# Allegro board Learn.brd (continued)
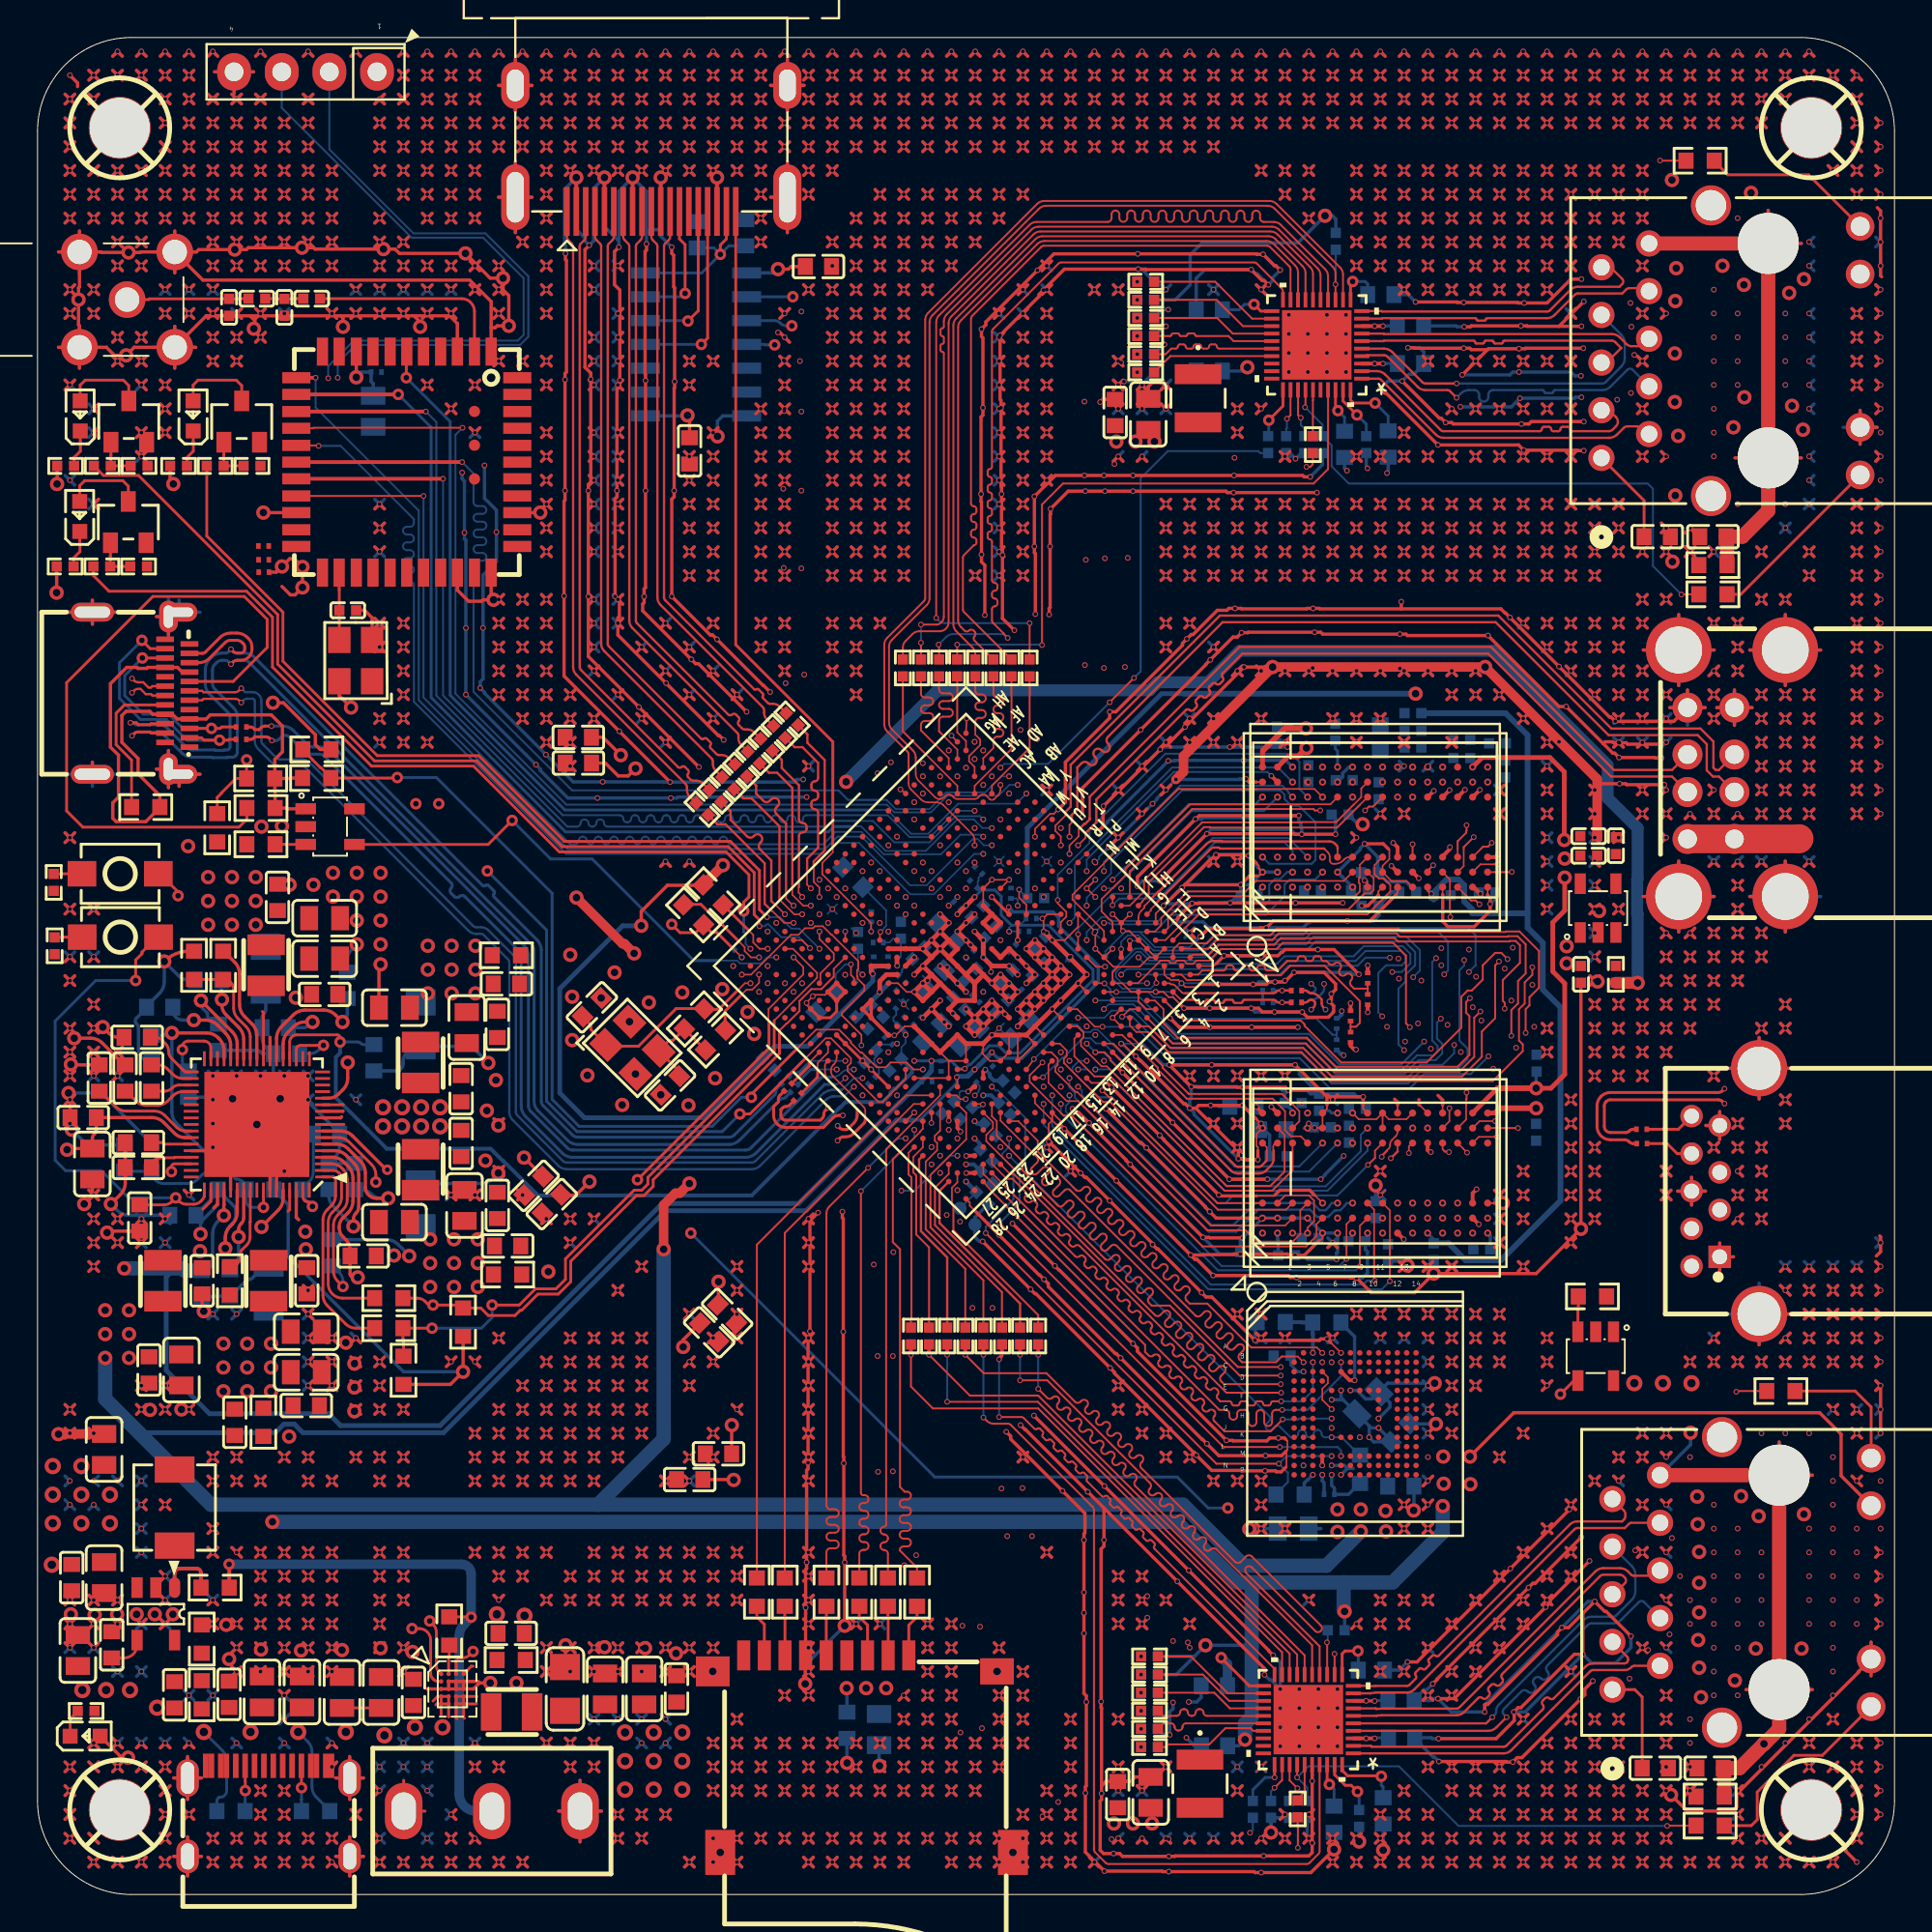
[diagram p0: board, top side]
## Routing (per net, layer and track width the routed paths; a pad name or vN(x,y) marks a point on that pad's centre or on a via; arc(x,y) is an arc through that point) (continued)
  TOP w0.203: U7.R2 v1(76.83,35.72)
  SIG w0.104: v1(76.83,35.72) 76.83,37.2 77.06,37.44 77.06,38.53 78.56,40.03 78.56,43.41 78.71,43.56 78.71,44.48 78.46,44.73 78.46,45.3 78.56,45.4 v1(78.56,45.77) 78.56,47.14 78.92,47.5 78.92,48.74 79.25,49.07 79.25,52.98 77.85,54.38 v1(77.85,54.91)
DDR4_A9: length 47.1
  TOP w0.089: 60.59,47.12 U5.A5 ; U7.R7 76.83,40.39 77.65,40.39
  TOP w0.104: 60.59,47.12 61.13,46.58 67.34,46.58 67.54,46.38 67.54,46.3 69.49,44.35 74.04,44.35 75.9,46.2 75.9,47.85 76.23,48.18 76.45,48.18 77.04,48.77 77.04,49.53 77.7,50.19 78.03,50.19 v1(78.36,49.86) ; 77.65,40.39 v1(77.8,40.39)
  TOP w0.203: U6.R7 v1(76.88,58.88)
  SIG w0.104: v1(76.88,58.88) 76.88,57.2 77.17,56.92 77.17,54.33 78.26,53.24 78.26,52.39 arc(78.32,52.25) 78.47,52.19 78.55,52.19 arc(78.76,51.98) 78.55,51.77 78.36,51.77 arc(78.15,51.56) 78.36,51.35 78.55,51.35 arc(78.76,51.14) 78.55,50.94 78.47,50.94 arc(78.32,50.87) 78.26,50.73 78.26,50.25 78.36,50.15 v1(78.36,49.86) 78.56,49.65 78.56,49.51 78.56,49.5 78.56,49.2 78.05,48.69 78.05,48.06 77.85,47.85 77.85,47.04 77.95,46.94 77.95,44.53 78.21,44.27 78.21,43.76 77.95,43.51 77.95,41.66 78.05,41.55 78.05,40.64 v1(77.8,40.39)
DDR4_A10: length 40.9
  TOP w0.089: U5.D6 58.66,48.57 59.87,49.78 60.27,49.78 60.4,49.66 60.63,49.66 60.76,49.78 61.11,49.78 61.29,49.61 61.59,49.61 61.77,49.78 62.48,49.78 62.58,49.88
  TOP w0.104: v1(73.15,46.23) 72.95,46.43 72.95,50.04 72.26,50.72 66.37,50.72 66.04,50.39 63.09,50.39 62.58,49.88
  SIG w0.104: v1(74.1,55.3) 73.94,55.14 73.94,54.74 74.24,54.43 74.24,53.87 73.94,53.57 73.94,49.05 74.12,48.87 74.12,48.56 73.91,48.36 73.46,48.36 73.2,48.11 73.2,47.41 arc(73.24,47.33) 73.32,47.29 arc(73.4,47.26) 73.43,47.18 73.43,46.99 arc(73.4,46.91) 73.32,46.88 arc(73.2,46.83) 73.15,46.71 v1(73.15,46.23) 73.36,46.02 73.36,46 73.56,45.8 73.56,44.83 74.52,43.87 74.52,41.68 74.98,41.22 74.98,40.51 74.63,40.16 74.63,39.19 74.1,38.66 v1(74.1,36.85)
DDR4_A11: length 47.1
  TOP w0.089: 61.76,50.7 60.86,50.7 60.52,50.36 U5.C2 ; U6.T2 77.65,54.5
  TOP w0.104: v1(79.32,45.92) 79.32,47.19 79.53,47.4 79.53,47.83 80.04,48.34 80.04,50.29 78.99,51.33 78.28,51.33 78.26,51.31 72.72,51.31 72.54,51.49 66.07,51.49 65.71,51.13 62.76,51.13 62.33,50.7 61.76,50.7 ; v1(78.59,54.51) 78.58,54.5 77.65,54.5
  SIG w0.104: v1(78.59,54.51) 79.93,53.16 79.93,49.68 80.04,49.58 80.04,48.34 79.53,47.83 79.53,47.4 79.32,47.19 v1(79.32,45.92) 79.32,45.49 79.43,45.39 79.43,44.88 79.27,44.73 79.27,40.31 77.3,38.33 v1(77.3,36.05)
DDR4_A12: length 45.2
  TOP w0.089: v1(59.64,48.59) 59.61,48.59 59.61,48.79 U5.C4
  TOP w0.203: U7.M7 74.1,39.68 74.2,39.57 v1(74.27,39.57) ; U6.M7 v1(74.43,58.83)
  SIG w0.104: v1(74.27,39.57) 74.27,40.16 74.73,40.61 74.73,41.12 74.27,41.58 74.27,43.76 73.3,44.73 73.3,45.57 72.8,46.08 72.8,47.47 72.95,47.62 72.95,48.21 73.33,48.59 v1(73.33,48.9) 73.66,49.23 73.66,53.7 73.99,54.03 73.99,54.33 73.69,54.64 73.69,55.4 74.3,56.01 74.3,58.4 74.43,58.54 v1(74.43,58.83)
  BOTTOM w0.089: 62.37,50.08 62.26,49.96 59.33,49.96 58.88,50.42 58.5,50.42 57.3,49.23 57.3,48.82 57.84,48.29 59.33,48.29 v1(59.64,48.59)
  BOTTOM w0.104: 62.37,50.08 62.94,50.65 67.61,50.65 68.02,51.05 72.97,51.05 73.69,50.34 73.69,49.25 v1(73.33,48.9)
DDR4_A13: length 49.7
  TOP w0.089: 59.33,45.86 59.21,45.97 58.57,45.97 58.22,46.32 U5.B8 ; 77.65,40.85 U7.T8
  TOP w0.104: v1(79.68,49.43) 79.68,49.02 79.27,48.62 79.27,47.5 78.97,47.19 78.97,45.52 79.17,45.31 79.17,44.96 77.57,43.36 68.91,43.36 67.37,44.9 60.28,44.9 59.33,45.86 ; v1(78.92,40.85) 77.65,40.85
  SIG w0.104: v1(77.3,59.3) 77.3,57.25 78.23,56.31 78.23,54.36 79.68,52.91 v1(79.68,49.43) 79.68,49.06 79.27,48.65 79.27,47.5 78.97,47.19 78.97,45.49 79.17,45.29 79.17,44.98 78.97,44.78 78.97,43.46 78.82,43.31 78.82,41.25 78.92,41.15 v1(78.92,40.85)
DDR4_A14_WEN: length 45.3
  TOP w0.203: U6.L2 v1(73.63,54.17)
  SIG w0.104: v1(73.63,54.17) 73.42,53.96 73.42,49.52 72.92,49.02 72.92,48.67 72.69,48.44 72.69,47.73 72.54,47.57 72.54,45.31 v1(72.85,45.01) 73.05,44.8 73.05,44.63 74.02,43.66 74.02,41.48 74.47,41.02 74.47,40.72 73.76,40.01 73.76,39.14 73.66,39.04 73.66,36.42 v1(73.3,36.05)
  BOTTOM w0.089: v1(59.14,48.57) 57.8,48.57 57.48,48.9 57.48,49.15 58.57,50.24 58.8,50.24 59.26,49.78 62.43,49.78 62.55,49.9
  BOTTOM w0.104: 62.55,49.9 63.04,50.39 67.72,50.39 68.12,50.8 72.87,50.8 73.43,50.24 73.43,49.53 72.92,49.02 72.92,48.67 72.54,48.29 72.54,45.31 v1(72.85,45.01)
DDR4_A15_CASN: length 39.1
  SIG w0.104: v1(74.1,40.85) 73.89,41.06 73.89,41.25 73.76,41.38 73.76,43.56 72.29,45.03 72.29,45.29 arc(72.27,45.34) 72.21,45.36 72.04,45.36 arc(71.83,45.57) 72.04,45.78 72.21,45.78 arc(72.27,45.8) 72.29,45.86 72.29,46.41 72.21,46.48 72.21,47.14 arc(72.17,47.25) 72.06,47.29 72.04,47.29 arc(71.83,47.5) 72.04,47.71 72.23,47.71 arc(72.44,47.91) 72.23,48.12 72.04,48.12 arc(71.83,48.33) 72.04,48.54 72.06,48.54 arc(72.17,48.58) 72.21,48.69 v1(72.21,49.17) 72.72,49.17 73.18,49.63 73.18,54.25 73.41,54.48 73.41,55.45 74.02,56.06 74.02,58.92 74.1,59.01 v1(74.1,59.3)
  BOTTOM w0.089: 62.85,49.61 59.03,49.61 v1(58.68,49.95)
  BOTTOM w0.104: 62.85,49.61 66.07,49.61 66.47,50.01 70.15,50.01 70.69,50.55 72.77,50.55 73.18,50.14 73.18,49.63 72.72,49.17 v1(72.21,49.17)
DDR4_A16_RASN: length 34.2
  SIG w0.104: v1(73.3,40.85) 73.3,41.15 73.25,41.19 73.25,43.36 71.32,45.29 71.32,49.17 v1(72.09,49.94) 72.67,50.52 72.67,54.46 72.9,54.69 72.9,56.13 73.66,56.9 73.66,58.93 v1(73.3,59.3)
  BOTTOM w0.089: 62.5,49.03 v1(58.68,49.03)
  BOTTOM w0.104: v1(72.09,49.94) 70.79,49.94 70.36,49.5 66.67,49.5 66.2,49.03 62.5,49.03
DDR4_ACTN: length 42.2
  TOP w0.104: U6.L3 v1(73.3,55.98)
  SIG w0.104: v1(73.3,55.98) 73.3,55.69 73.15,55.54 73.15,54.58 72.92,54.36 72.92,49.73 72.72,49.53 72.04,49.53 71.58,49.07 71.58,47.2 71.68,47.1 v1(71.68,46.81) 71.68,46.52 71.58,46.42 71.58,45.39 73.51,43.46 73.51,41.27 73.66,41.12 73.66,40.69 73.51,40.54 73.51,39.32 73.3,39.11 v1(73.3,36.85)
  BOTTOM w0.089: 62.8,49.33 58.06,49.33 v1(57.76,49.03)
  BOTTOM w0.104: v1(71.68,46.81) 71.47,47.02 71.47,49.12 71.88,49.53 72.72,49.53 72.92,49.73 72.92,50.04 72.67,50.29 70.79,50.29 70.26,49.76 66.57,49.76 66.14,49.33 62.8,49.33
DDR4_BA0: length 42.6
  TOP w0.089: U6.N2 75.29,54.11 75.29,53.29
  TOP w0.104: v1(75.31,52.1) 75.31,52.39 75.29,52.41 75.29,53.29
  SIG w0.104: v1(74.9,36.05) 74.9,36.35 75.26,36.71 75.26,38.73 75.84,39.32 75.84,39.95 76.1,40.21 76.1,42.31 75.79,42.62 75.79,44.35 75.51,44.63 v1(75.51,45.29) 75.51,46.51 75.16,46.86 75.16,47.83 75.69,48.36 75.69,50.93 75.31,51.31 v1(75.31,52.1)
  BOTTOM w0.089: 59.49,46.02 58.39,47.12 57.25,47.12 56.87,46.73 v1(55.47,46.73)
  BOTTOM w0.104: v1(75.51,45.29) 75.51,44.84 74.89,44.22 73.71,44.22 72.97,43.48 69.09,43.48 67.49,45.09 60.43,45.09 59.49,46.02
DDR4_BA1: length 45.1
  TOP w0.089: v1(75.26,41.91) 75.26,41.22 U7.N8
  SIG w0.104: v1(74.9,59.3) 74.9,57.07 74.65,56.82 74.65,55.24 74.96,54.94 74.96,52.96 74.45,52.45 74.45,50.3 74.55,50.2 v1(74.55,49.91) 74.45,49.81 74.45,49.25 74.63,49.07 74.63,48.36 74.19,47.93 74.19,46.1 74.65,45.64 74.65,44.42 75.03,44.04 75.03,42.14 v1(75.26,41.91)
  BOTTOM w0.089: v1(56.39,47.65) 57.27,47.65 57.3,47.62 58.6,47.62 59.85,46.38
  BOTTOM w0.104: v1(74.55,49.91) 74.34,49.71 74.34,45.52 74.63,45.24 74.63,44.93 74.42,44.73 73.53,44.73 72.8,43.99 69.29,43.99 67.67,45.62 60.6,45.62 59.85,46.38
DDR4_BG0: length 40.9
  TOP w0.089: U5.F8 56.86,48.57 v1(56.87,48.56)
  TOP w0.104: v1(74.4,54.86) 74.1,54.57 U6.M2
  SIG w0.104: v1(74.1,36.05) 74.47,36.43 74.47,38.68 74.88,39.09 74.88,40.06 75.23,40.41 75.23,41.33 74.78,41.78 74.78,43.97 73.91,44.83 v1(73.91,45.47) 73.91,45.76 73.94,45.78 73.94,48.03 74.37,48.46 74.37,48.97 74.19,49.15 74.19,52.55 74.65,53.01 74.65,54.61 v1(74.4,54.86)
  BOTTOM w0.089: v1(56.87,48.56) 57.2,48.23 57.2,47.98 57.38,47.8 58.78,47.8 60.02,46.55
  BOTTOM w0.104: v1(73.91,45.47) 72.69,44.25 69.39,44.25 67.77,45.87 60.71,45.87 60.02,46.55
DDR4_CKE: length 13.5
  TOP w0.089: U5.B3 60.97,49.03 61.26,48.74 62.21,48.74 62.47,49
  TOP w0.104: 62.47,49 66.27,49 66.78,49.5 68.61,49.5 70.48,47.62 70.48,46.46 70.28,46.25 69.99,46.25 ; R33.2 69.99,46.25 ; 69.99,46.25 R34.1
DDR4_CKE_A: length 10.8
  TOP w0.203: U6.K2 v1(72.17,54.83) ; R33.1 v1(69.99,47.51)
  SIG w0.104: v1(69.99,47.51) 69.99,48.02 arc(70.05,48.16) 70.2,48.22 70.84,48.22 arc(71.04,48.43) 70.84,48.64 70.2,48.64 arc(70.05,48.7) 69.99,48.85 69.99,49.19 72.17,51.36 v1(72.17,54.83)
DDR4_CKE_B: length 11.1
  TOP w0.203: R34.2 69.99,45.24 70.19,45.03 v1(70.28,45.03)
  SIG w0.104: v1(72.5,36.05) 72.87,36.43 72.87,37.01 72.73,37.15 72.73,37.56 arc(72.76,37.62) 72.83,37.65 arc(72.97,37.71) 73.03,37.85 73.03,37.87 arc(72.97,38.01) 72.83,38.07 arc(72.76,38.1) 72.73,38.17 72.73,39.69 72.57,39.85 72.57,42.57 70.54,44.6 70.54,44.78 v1(70.28,45.03)
DDR4_CLKN: length 8.1
  TOP w0.089: 61.16,47.69 61.03,47.69 arc(60.95,47.71) 60.89,47.75 U5.A4
  TOP w0.124: R32.1 v1(66.34,47.55) 66.18,47.55 arc(66.1,47.56) 66.03,47.61 66.01,47.63 arc(65.95,47.67) 65.86,47.69 64.32,47.69 arc(64.27,47.67) 64.24,47.61 arc(64.22,47.55) 64.16,47.52 63.83,47.52 arc(63.77,47.55) 63.75,47.61 arc(63.72,47.67) 63.66,47.69 63.33,47.69 arc(63.27,47.67) 63.25,47.61 arc(63.23,47.55) 63.17,47.52 62.84,47.52 arc(62.78,47.55) 62.75,47.61 arc(62.73,47.67) 62.67,47.69 62.34,47.69 arc(62.28,47.67) 62.26,47.61 arc(62.23,47.55) 62.18,47.52 61.85,47.52 arc(61.79,47.55) 61.76,47.61 arc(61.74,47.67) 61.68,47.69 61.16,47.69
  BOTTOM w0.124: R32.1 v1(66.34,47.55) R28.1
DDR4_CLKN_A: length 17.4
  SIG w0.124: v1(68.58,48.54) 68.58,48.28 arc(68.55,48.14) 68.48,48.03 68.27,47.82 arc(68.08,47.69) 67.86,47.65 67.74,47.65 arc(67.34,47.81) 67.18,48.2 67.18,48.54 arc(67.23,48.77) 67.36,48.98 67.61,49.23 67.78,49.23 arc(67.91,49.25) 68.02,49.32 71.01,52.32 arc(71.15,52.52) 71.2,52.76 71.2,55.94 arc(71.24,56.18) 71.38,56.38 71.93,56.94 arc(71.99,57.03) 72.01,57.13 72.01,58.55 arc(72.06,58.79) 72.19,58.99 v1(72.5,59.3)
  BOTTOM w0.124: R31.1 67.57,47.55 arc(67.65,47.56) 67.72,47.61 67.74,47.63 arc(67.81,47.67) 67.89,47.69 67.9,47.69 arc(68.1,47.73) 68.27,47.84 68.47,48.04 arc(68.55,48.16) 68.58,48.3 v1(68.58,48.54)
DDR4_CLKN_B: length 17.6
  TOP w0.089: U7.K8 72.5,40.68 arc(72.47,40.53) 72.39,40.41 72.19,40.21 arc(72.12,40.11) 72.1,39.98 72.1,39.93 arc(72.08,39.84) 72.02,39.75 71.94,39.67 71.94,39.65 71.93,39.65
  TOP w0.124: v1(67.89,47.17) 68.04,47.31 arc(68.08,47.38) 68.1,47.46 68.1,47.57 68.03,47.64 arc(67.97,47.68) 67.9,47.69 67.87,47.69 arc(67.8,47.68) 67.75,47.64 67.72,47.61 arc(67.65,47.56) 67.57,47.55 R32.2 ; 71.93,39.65 71.7,39.42 71.7,39.37 v1(71.65,39.32)
  SIG w0.124: v1(71.65,39.32) 71.65,39.63 71.45,39.83 71.45,42.26 arc(71.43,42.37) 71.37,42.45 70.87,42.95 arc(70.79,43.01) 70.69,43.03 67.89,43.03 arc(67.82,43.04) 67.76,43.08 67.75,43.1 arc(67.71,43.16) 67.69,43.23 67.69,45.29 arc(67.71,45.36) 67.75,45.42 67.76,45.43 arc(67.82,45.47) 67.89,45.49 69.57,45.49 arc(69.66,45.52) 69.7,45.61 69.7,46.08 arc(69.66,46.17) 69.57,46.2 68.43,46.2 68.04,46.59 arc(67.93,46.75) 67.89,46.94 v1(67.89,47.17)
DDR4_CLKP: length 8
  TOP w0.089: 61.16,48.04 61.09,48.04 arc(61.05,48.05) 61.01,48.08 60.62,48.46 arc(60.57,48.5) 60.5,48.51 60.41,48.51 60.35,48.57 U5.B4
  TOP w0.124: R30.1 v1(66.34,48.18) 66.18,48.18 arc(66.1,48.17) 66.03,48.12 66.01,48.1 arc(65.95,48.06) 65.86,48.04 61.16,48.04
  BOTTOM w0.124: R30.1 v1(66.34,48.18) R27.1
DDR4_CLKP_A: length 17.5
  SIG w0.124: v1(72.5,58.5) 72.5,58.13 arc(72.48,58.05) 72.44,57.99 72.42,57.97 arc(72.38,57.91) 72.36,57.83 72.36,57.13 arc(72.32,56.89) 72.18,56.69 71.63,56.13 arc(71.57,56.05) 71.55,55.94 71.55,52.4 arc(71.53,52.33) 71.49,52.27 70.59,51.36 arc(70.52,51.19) 70.59,51.01 70.69,50.91 arc(70.69,50.56) 70.34,50.56 70.24,50.66 arc(69.89,50.66) 69.89,50.31 69.99,50.21 arc(69.99,49.86) 69.64,49.86 69.54,49.96 arc(69.19,49.96) 69.19,49.61 69.29,49.51 arc(69.29,49.16) 68.94,49.16 68.82,49.27 arc(68.66,49.34) 68.5,49.27 68.16,48.93 arc(68.09,48.89) 68.02,48.87 67.76,48.87 67.61,48.73 arc(67.56,48.64) 67.54,48.54 67.54,48.2 arc(67.59,48.06) 67.74,48 67.86,48 arc(67.94,48.02) 68.02,48.07 68.05,48.11 arc(68.09,48.16) 68.11,48.23 68.11,48.26 arc(68.09,48.33) 68.05,48.39 v1(67.89,48.55)
  BOTTOM w0.124: R29.1 67.57,48.18 arc(67.65,48.17) 67.72,48.12 67.75,48.1 arc(67.8,48.06) 67.87,48.04 67.9,48.04 arc(67.97,48.06) 68.03,48.09 68.1,48.17 arc(68.13,48.25) 68.1,48.34 v1(67.89,48.55)
DDR4_CLKP_B: length 17.6
  TOP w0.089: U7.K7 72.5,39.65
  TOP w0.124: v1(68.66,47.17) 68.54,47.28 arc(68.47,47.38) 68.45,47.51 68.45,47.71 68.27,47.89 arc(68.1,48) 67.9,48.04 67.89,48.04 arc(67.81,48.06) 67.74,48.1 67.72,48.12 arc(67.65,48.17) 67.57,48.18 R30.2 ; v1(72.14,39.24) 72.5,39.6 72.5,39.65
  SIG w0.124: v1(72.14,39.24) 72.14,39.46 arc(72.12,39.54) 72.08,39.6 72.01,39.67 72.01,39.78 71.81,39.98 71.81,42.26 arc(71.76,42.5) 71.62,42.7 71.12,43.2 arc(70.92,43.34) 70.69,43.38 69.3,43.38 arc(69.2,43.42) 69.16,43.52 arc(69.12,43.62) 69.02,43.66 68.8,43.66 arc(68.7,43.62) 68.66,43.52 arc(68.62,43.42) 68.52,43.38 68.17,43.38 arc(68.08,43.42) 68.05,43.51 68.05,45.01 arc(68.08,45.1) 68.17,45.14 69.71,45.14 arc(69.82,45.16) 69.9,45.22 69.97,45.28 arc(70.03,45.37) 70.05,45.47 70.05,46.36 arc(70.04,46.43) 70,46.48 69.98,46.5 arc(69.92,46.54) 69.85,46.56 68.57,46.56 68.49,46.82 arc(68.48,46.95) 68.54,47.05 v1(68.66,47.17)
DDR4_CS0N: length 13.5
  TOP w0.089: U5.A2 61.86,49.03 62.08,49.25 62.72,49.25
  TOP w0.104: R35.2 70.9,48.29 ; 70.9,48.29 70.18,48.29 70.02,48.45 arc(69.96,48.59) 70.02,48.74 arc(70.08,48.88) 70.02,49.03 70.02,49.03 arc(69.87,49.09) 69.73,49.03 arc(69.58,48.97) 69.43,49.03 69.43,49.03 arc(69.37,49.18) 69.43,49.33 arc(69.49,49.47) 69.43,49.62 69.43,49.62 arc(69.28,49.68) 69.14,49.62 arc(68.99,49.56) 68.84,49.62 68.71,49.76 68.55,49.76 arc(68.46,49.8) 68.43,49.89 arc(68.39,49.98) 68.3,50.01 68.14,50.01 arc(68.05,49.98) 68.01,49.89 arc(67.97,49.8) 67.88,49.76 67.72,49.76 arc(67.63,49.8) 67.59,49.89 arc(67.56,49.98) 67.47,50.01 67.3,50.01 arc(67.21,49.98) 67.18,49.89 arc(67.14,49.8) 67.05,49.76 66.62,49.76 66.12,49.25 65.57,49.25 arc(65.47,49.29) 65.43,49.39 arc(65.39,49.49) 65.29,49.53 65.15,49.53 arc(65.05,49.49) 65.01,49.39 arc(64.97,49.29) 64.87,49.25 64.74,49.25 arc(64.64,49.29) 64.6,49.39 arc(64.56,49.49) 64.46,49.53 64.32,49.53 arc(64.22,49.49) 64.18,49.39 arc(64.14,49.29) 64.04,49.25 63.9,49.25 arc(63.8,49.29) 63.76,49.39 arc(63.72,49.49) 63.62,49.53 63.49,49.53 arc(63.39,49.49) 63.35,49.39 arc(63.31,49.29) 63.21,49.25 62.72,49.25 ; 70.9,48.29 R36.1
DDR4_CS0N_A: length 10.8
  TOP w0.203: R35.1 v1(70.9,49.53)
  SIG w0.104: v1(70.9,49.53) 71.2,49.82 arc(71.27,49.85) 71.34,49.82 71.34,49.82 arc(71.41,49.79) 71.49,49.82 71.64,49.97 arc(71.67,50.04) 71.64,50.12 arc(71.61,50.19) 71.64,50.26 71.79,50.41 arc(71.86,50.44) 71.93,50.41 arc(72,50.38) 72.08,50.41 72.23,50.56 arc(72.26,50.63) 72.23,50.7 arc(72.2,50.78) 72.23,50.85 72.42,51.04 72.42,54.53 72.62,54.74 72.62,56.21 73.3,56.89 v1(73.3,58.5)
DDR4_CS0N_B: length 11.6
  TOP w0.089: U7.L7 73.28,40.05 73.1,39.88 73.1,39.65
  TOP w0.104: v1(73.1,39.52) 73.1,39.65
  TOP w0.203: R36.2 v1(70.9,47.02)
  SIG w0.104: v1(70.9,47.02) 70.9,44.59 71.08,44.42 arc(71.22,44.36) 71.37,44.42 71.46,44.5 arc(71.75,44.5) 71.75,44.21 71.67,44.12 arc(71.67,43.83) 71.96,43.83 72.05,43.91 arc(72.34,43.91) 72.34,43.62 72.25,43.53 arc(72.25,43.24) 72.55,43.24 72.64,43.33 arc(72.93,43.33) 72.93,43.03 72.84,42.94 arc(72.78,42.8) 72.84,42.65 72.92,42.57 72.92,39.99 73.1,39.81 v1(73.1,39.52)
DDR4_DML_A: length 19
  TOP w0.089: U5.H5 56.85,51.36 55.17,53.04 55.17,53.29 57.17,55.29 ; v1(68.5,58.5) 68.07,58.93 64.97,58.93
  TOP w0.104: 57.17,55.29 60.81,58.93 64.97,58.93
DDR4_DML_B: length 20.6
  TOP w0.089: U5.E17 v1(53.11,44.53)
  BOTTOM w0.089: v1(53.11,44.53) 54.95,46.37 55.41,46.37 55.8,45.97 56.13,45.97 56.26,46.1 56.52,46.1 58.04,44.57
  BOTTOM w0.104: 58.04,44.57 63.8,38.81 67.25,38.81 v1(68.5,40.05)
DDR4_DMU_A: length 13.2
  BOTTOM w0.089: v1(56.85,51.79) 57.13,51.79 57.2,51.71 59.92,51.71 60.33,52.12
  BOTTOM w0.104: 60.33,52.12 60.43,52.22 65.48,52.22 66.47,53.21 66.47,53.82 66.75,54.1 68.1,54.1 v1(68.5,54.5)
DDR4_DMU_B: length 22.9
  TOP w0.089: 55,41.53 54.69,41.53 52.88,43.33 52.88,43.66 v1(53.57,44.35) ; U7.E2 68.17,35.73 68.17,35.1 67.92,34.85
  TOP w0.104: 67.92,34.85 67.61,34.54 62.1,34.54 55.12,41.53 55,41.53
  SIG w0.089: v1(53.57,44.35) 53.57,44.63 53.83,44.9 v1(54.55,44.9)
DDR4_DQL0_A: length 12.5
  TOP w0.089: 64.97,54.03 69.63,54.03 U6.G2 ; U5.F2 59.56,51.33 59.89,51.66 59.89,52.04 60.15,52.3
  TOP w0.104: 60.15,52.3 61.32,53.47 64.39,53.47 64.95,54.03 64.97,54.03
DDR4_DQL0_B: length 21.8
  TOP w0.089: 69.77,34.85 69.77,35.73 U7.G2
  TOP w0.104: v1(69.77,33.88) 69.77,34.85
  BOTTOM w0.089: v1(55.01,42.6) 55.01,42.23 54.81,42.04 54.81,41.73 55.01,41.54
  BOTTOM w0.104: 55.01,41.54 55.02,41.53 55.09,41.53 63.12,33.5 69.39,33.5 v1(69.77,33.88)
DDR4_DQL1_A: length 17
  TOP w0.089: 64.97,58.12 68.92,58.12 U6.F7 ; 57.99,54.47 57.99,54.33 56.72,53.06 56.72,52.4 57.31,51.81 U5.H4
  TOP w0.104: 64.97,58.12 61.44,58.12 57.99,54.66 57.99,54.47
DDR4_DQL1_B: length 20.6
  TOP w0.089: U5.D17 53.52,43.54 53.54,43.56 v1(53.59,43.56)
  BOTTOM w0.089: v1(53.59,43.56) 54.64,44.6 54.69,44.6 55.73,45.64 56.13,45.64 56.41,45.36 56.85,45.36 57.84,44.37
  BOTTOM w0.104: v1(69.3,40.05) 67.78,38.53 63.68,38.53 57.84,44.37
DDR4_DQL2_A: length 13.7
  TOP w0.089: 70.31,53.29 70.48,53.47 70.48,53.87 70.43,53.92 70.43,54.18 70.48,54.23 70.48,54.88 U6.H3 ; 60.33,52.13 60.26,52.06 60.26,51.53 U5.E1
  TOP w0.104: 60.33,52.13 61.42,53.21 70.23,53.21 70.31,53.29
DDR4_DQL2_B: length 26.7
  TOP w0.089: U7.H3 71.25,36.51 71.25,34.85
  TOP w0.104: 71.25,34.85 71.25,32.74 v1(71.27,32.72)
  BOTTOM w0.089: v1(54.09,42.6) 54.09,40.96 54.26,40.79
  BOTTOM w0.104: 54.26,40.79 62.53,32.51 70.66,32.51 70.87,32.72 v1(71.27,32.72)
DDR4_DQL3_A: length 15
  TOP w0.089: U6.H7 70.49,58.09 ; U5.H1 58.88,52.91 58.88,52.94 59.08,53.14 59.08,53.21 59.16,53.29
  TOP w0.104: 70.49,58.09 69.27,56.87 62.51,56.87 62.48,56.9 62.18,56.9 59.23,53.95 59.23,53.37 59.16,53.29
DDR4_DQL3_B: length 19.4
  BOTTOM w0.089: v1(55.47,43.98) 55.97,43.98 56.34,43.61 57.08,43.61
  BOTTOM w0.104: 57.08,43.61 57.19,43.61 63.28,37.52 68.76,37.52 70.9,39.66 v1(70.9,40.05)
DDR4_DQL4_A: length 13.8
  TOP w0.089: 70.66,53.29 70.74,53.37 71.04,53.37 71.22,53.54 71.22,54.17 U6.H2 ; U5.E2 60.12,50.87 60.85,51.6
  TOP w0.104: 60.85,51.6 61.75,52.5 69.88,52.5 70.66,53.29
DDR4_DQL4_B: length 22.7
  TOP w0.089: U7.H2 70.48,35.64 70.48,34.85
  TOP w0.104: v1(70.48,33.48) 70.48,34.85
  BOTTOM w0.089: 54.83,41.36 54.55,41.64 v1(54.55,42.14)
  BOTTOM w0.104: v1(70.48,33.48) 70.28,33.27 62.92,33.27 54.83,41.36
DDR4_DQL5_A: length 16.5
  TOP w0.089: 57.76,52.71 58.22,52.71 58.98,53.47 ; 70.16,58.09 70.56,58.5 70.56,58.96 U6.H8
  TOP w0.104: 70.16,58.09 69.23,57.16 67.4,57.16 67.39,57.15 62.08,57.15 58.98,54.06 58.98,53.47
DDR4_DQL5_B: length 18.9
  BOTTOM w0.089: 57.31,43.84 57.17,43.98 v1(56.39,43.98)
  BOTTOM w0.104: v1(70.9,40.85) 70.54,40.49 70.54,39.62 68.66,37.75 63.4,37.75 57.31,43.84
DDR4_DQL6_A: length 15.2
  TOP w0.089: 71.93,53.29 72.11,53.47 72.11,53.8 71.75,54.15 71.5,54.15 71.27,54.38 71.27,54.87 U6.J3 ; U5.D1 61.05,51.4
  TOP w0.104: 61.05,51.4 61.9,52.25 70.89,52.25 71.93,53.29
DDR4_DQL6_B: length 27.7
  TOP w0.089: U7.J3 72.09,36.47 72.09,34.85
  TOP w0.104: v1(72.09,32.69) 72.09,34.85
  BOTTOM w0.089: 54.07,40.6 53.63,41.04 v1(53.63,42.14)
  BOTTOM w0.104: v1(72.09,32.69) 71.65,32.26 62.41,32.26 54.07,40.6
DDR4_DQL7_A: length 16.5
  TOP w0.089: 58.22,54.21 U5.J1 ; 71.29,58.09 U6.J7
  TOP w0.104: v1(70.76,57.78) 70.97,57.99 71.19,57.99 71.29,58.09 ; 58.22,54.21 58.22,54.54 61.54,57.86 68.01,57.86 68.09,57.78 v1(68.38,57.78)
  SIG w0.104: v1(68.38,57.78) v1(70.76,57.78)
DDR4_DQL7_B: length 22.1
  TOP w0.089: 71.29,39.65 U7.J7
  TOP w0.104: v1(70.92,38.89) 71.29,39.26 71.29,39.65
  BOTTOM w0.089: 56.27,42.79 55.93,43.13 55.9,43.13 55.17,43.87 55.17,44.09 55.51,44.44 v1(55.93,44.44)
  BOTTOM w0.104: v1(70.92,38.89) 69.29,37.26 63.73,37.26 63.32,36.86 62.89,36.86 57.25,42.49 56.57,42.49 56.27,42.79
DDR4_DQSL_N_A: length 13.4
  TOP w0.089: 59.37,53.09 59.37,53.06 59,52.69 59,52.6 58.83,52.43 arc(58.72,52.27) 58.68,52.07 U5.G2 ; 69.3,55.73 U6.F3
  TOP w0.124: 59.37,53.09 59.72,53.44 59.75,53.44 62.3,55.99 arc(62.48,56.11) 62.7,56.16 63.12,56.16 63.14,56.13 68.87,56.13 arc(69.02,56.1) 69.16,56.01 69.25,55.92 arc(69.29,55.87) 69.3,55.81 69.3,55.73
DDR4_DQSL_N_B: length 17.9
  BOTTOM w0.089: 55.87,42.4 55.87,42.41 55.67,42.61 55.67,42.86 v1(55.47,43.06)
  BOTTOM w0.124: 55.87,42.4 62.58,35.68 63.75,35.68 64.92,36.86 67.97,36.86 68.35,36.47 68.66,36.47 68.88,36.7 68.88,36.74 69,36.85 v1(69.3,36.85)
DDR4_DQSL_P_A: length 13.2
  TOP w0.089: U6.G3 69.93,55.3 arc(69.79,55.27) 69.67,55.19 69.59,55.11 arc(69.4,54.98) 69.17,54.94 69.06,54.94 arc(68.94,54.99) 68.88,55.12 68.88,55.29 arc(68.86,55.44) 68.77,55.56 68.61,55.73 ; U5.G1 59.34,52.45 59.34,52.51 59.64,52.81 59.64,52.81
  TOP w0.124: 59.64,52.81 59.64,52.86 59.87,53.09 59.89,53.09 62.55,55.74 arc(62.62,55.79) 62.7,55.81 62.97,55.81 63.02,55.75 68.58,55.75 68.61,55.73
DDR4_DQSL_P_B: length 19.9
  BOTTOM w0.089: 55.62,42.15 55.5,42.27 55.5,42.27 55.3,42.48 55.3,42.72 55.01,43.01 v1(55.01,43.52)
  BOTTOM w0.124: 55.62,42.15 62.43,35.33 63.9,35.33 65.07,36.5 67.82,36.5 68.21,36.12 68.8,36.12 69.13,36.45 69.18,36.45 69.21,36.47 69.44,36.47 69.67,36.7 69.67,36.73 69.8,36.85 v1(70.1,36.85)
DDR4_DQSU_N_A: length 9.8
  BOTTOM w0.089: 57.84,54.61 57.83,54.61 v1(57.31,54.09)
  BOTTOM w0.124: v1(65.3,58.5) 64.91,58.11 61.37,58.11 58.02,54.76 57.99,54.76 57.84,54.61
DDR4_DQSU_N_B: length 12.5
  TOP w0.089: 58.08,44.61 57.34,45.36 U5.B11 ; 65.52,39.65 65.53,39.66 65.53,39.83 U7.A7
  TOP w0.124: 58.08,44.61 63.86,38.84 arc(63.92,38.8) 64,38.78 65.1,38.78 arc(65.18,38.8) 65.24,38.84 65.47,39.07 arc(65.5,39.11) 65.52,39.14 65.52,39.65
DDR4_DQSU_P_A: length 11.3
  BOTTOM w0.089: v1(56.85,53.63) 57.34,53.63 58.06,54.35 58.11,54.35
  BOTTOM w0.124: v1(66.09,58.49) 65.36,57.76 65.08,57.76 65.07,57.76 61.52,57.76 58.11,54.35
DDR4_DQSU_P_B: length 12.6
  TOP w0.089: 65.89,39.65 65.89,39.67 65.87,39.69 65.87,39.86 arc(65.88,39.93) 65.92,39.99 65.99,40.05 U7.B7
  TOP w0.124: 65.89,39.65 65.89,39.22 arc(65.84,39.01) 65.72,38.82 65.49,38.6 arc(65.31,38.47) 65.1,38.43 64,38.43 arc(63.79,38.47) 63.61,38.6 U5.A11
DDR4_DQU0_A: length 21.3
  BOTTOM w0.089: 57.31,55.15 57.23,55.07 57.23,54.43 55.93,53.13 v1(55.93,52.71)
  BOTTOM w0.104: v1(65.3,55.3) 65.65,54.94 67.92,54.94 68.12,55.14 68.12,57.15 67.23,58.04 66.83,58.04 66.47,58.39 66.47,58.62 66.24,58.85 61.01,58.85 57.31,55.15
DDR4_DQU0_B: length 12.6
  TOP w0.089: 64.97,36.85 U7.A3
  TOP w0.104: v1(56.76,42.86) 57.13,42.49 57.25,42.49 62.89,36.85 64.97,36.85
  SIG w0.089: 56.85,43.38 v1(56.85,44.44)
  SIG w0.104: v1(56.76,42.86) 56.76,43.15 56.85,43.24 56.85,43.38
DDR4_DQU1_A: length 13
  TOP w0.203: U6.B8 v1(65.77,59.63)
  BOTTOM w0.089: 56.61,55.85 55.93,55.16 v1(55.93,54.55)
  BOTTOM w0.104: 56.61,55.85 56.61,55.87 60.57,59.83 65.56,59.83 v1(65.77,59.63)
DDR4_DQU1_B: length 18.4
  TOP w0.089: U5.E12 55.43,46.27 55.75,45.95 55.75,45.69 55.63,45.57 55.63,45.24 56.72,44.15 57,44.15 57.31,43.84 ; 66.47,39.65 66.47,40.48 U7.B8
  TOP w0.104: 57.31,43.84 63.37,37.77 65.71,37.77 66.47,38.53 66.47,39.65
DDR4_DQU2_A: length 12
  TOP w0.089: v1(57.3,52.73) 57.31,52.73 U5.K2
  BOTTOM w0.089: v1(57.3,52.73) 57.63,53.06
  BOTTOM w0.104: 57.63,53.06 57.66,53.09 59.77,53.09 62.76,56.08 66.47,56.08 66.9,55.66 v1(66.9,55.3)
DDR4_DQU2_B: length 17.2
  TOP w0.089: 56.25,42.78 54.71,44.32 54.71,44.55 54.86,44.7 54.86,44.98 54.49,45.36 U5.E14 ; U7.C3 66.54,36.5 64.97,36.5
  TOP w0.104: 64.97,36.5 62.92,36.5 57.18,42.24 56.79,42.24 56.25,42.78
DDR4_DQU3_A: length 12.5
  BOTTOM w0.089: v1(56.85,54.55) 56.85,55.04 57.13,55.33
  BOTTOM w0.104: v1(66.9,58.5) 66.69,58.7 66.69,58.76 66.34,59.11 60.91,59.11 57.13,55.33
DDR4_DQU3_B: length 17.7
  TOP w0.089: 55.47,45.81 55.27,45.61 55.27,44.68 56.34,43.61 57.18,43.61 ; U7.C7 66.9,39.65
  TOP w0.104: 66.9,39.65 66.9,38.6 65.81,37.52 63.27,37.52 57.18,43.61
DDR4_DQU4_A: length 13.4
  BOTTOM w0.089: 60.15,52.3 59.74,51.89 57.3,51.89 57.23,51.97 57.1,51.97 56.97,52.1 56.72,52.1 55.93,51.3 v1(55.93,50.87)
  BOTTOM w0.104: 60.15,52.3 60.33,52.48 65.18,52.48 65.66,52.96 65.66,53.82 65.96,54.13 66.24,54.13 66.61,54.5 v1(66.9,54.5)
DDR4_DQU4_B: length 17.8
  TOP w0.089: U7.C2 66.5,35.66 64.97,35.66 ; 55.9,42.3 55.42,42.77 55.35,42.77 54.25,43.87 54.25,44.09 54.38,44.22 54.38,44.55 54.04,44.9 U5.E15
  TOP w0.104: 55.9,42.3 62.53,35.66 64.97,35.66
DDR4_DQU5_A: length 17.3
  BOTTOM w0.089: 56.43,56.02 55.3,54.89 55.3,52.08 v1(55.01,51.79)
  BOTTOM w0.104: 56.43,56.02 60.48,60.07 66.12,60.07 v1(66.9,59.3)
DDR4_DQU5_B: length 11.8
  TOP w0.089: U7.C8 67.26,41.22 67.26,41.76 66.93,42.09 ; 58.76,45.28 58.22,45.81
  TOP w0.104: 58.76,45.28 58.86,45.28 59.97,44.17 59.97,44.07 61.34,42.7 61.37,42.67 66.34,42.67 66.93,42.09
